# Altium PCB 10515.0501_主板(8拼版)_V1.0-20200907.PcbDoc (part 2 of 6)
Units mm, origin at the board's own origin, x right, y up, seen from the top; angles counter-clockwise.
Board outline 229.4 x 126.82 mm, 2 copper layers (Top Layer, Bottom Layer); 560 components, 0 nets, 2350 pads, 1248 vias.
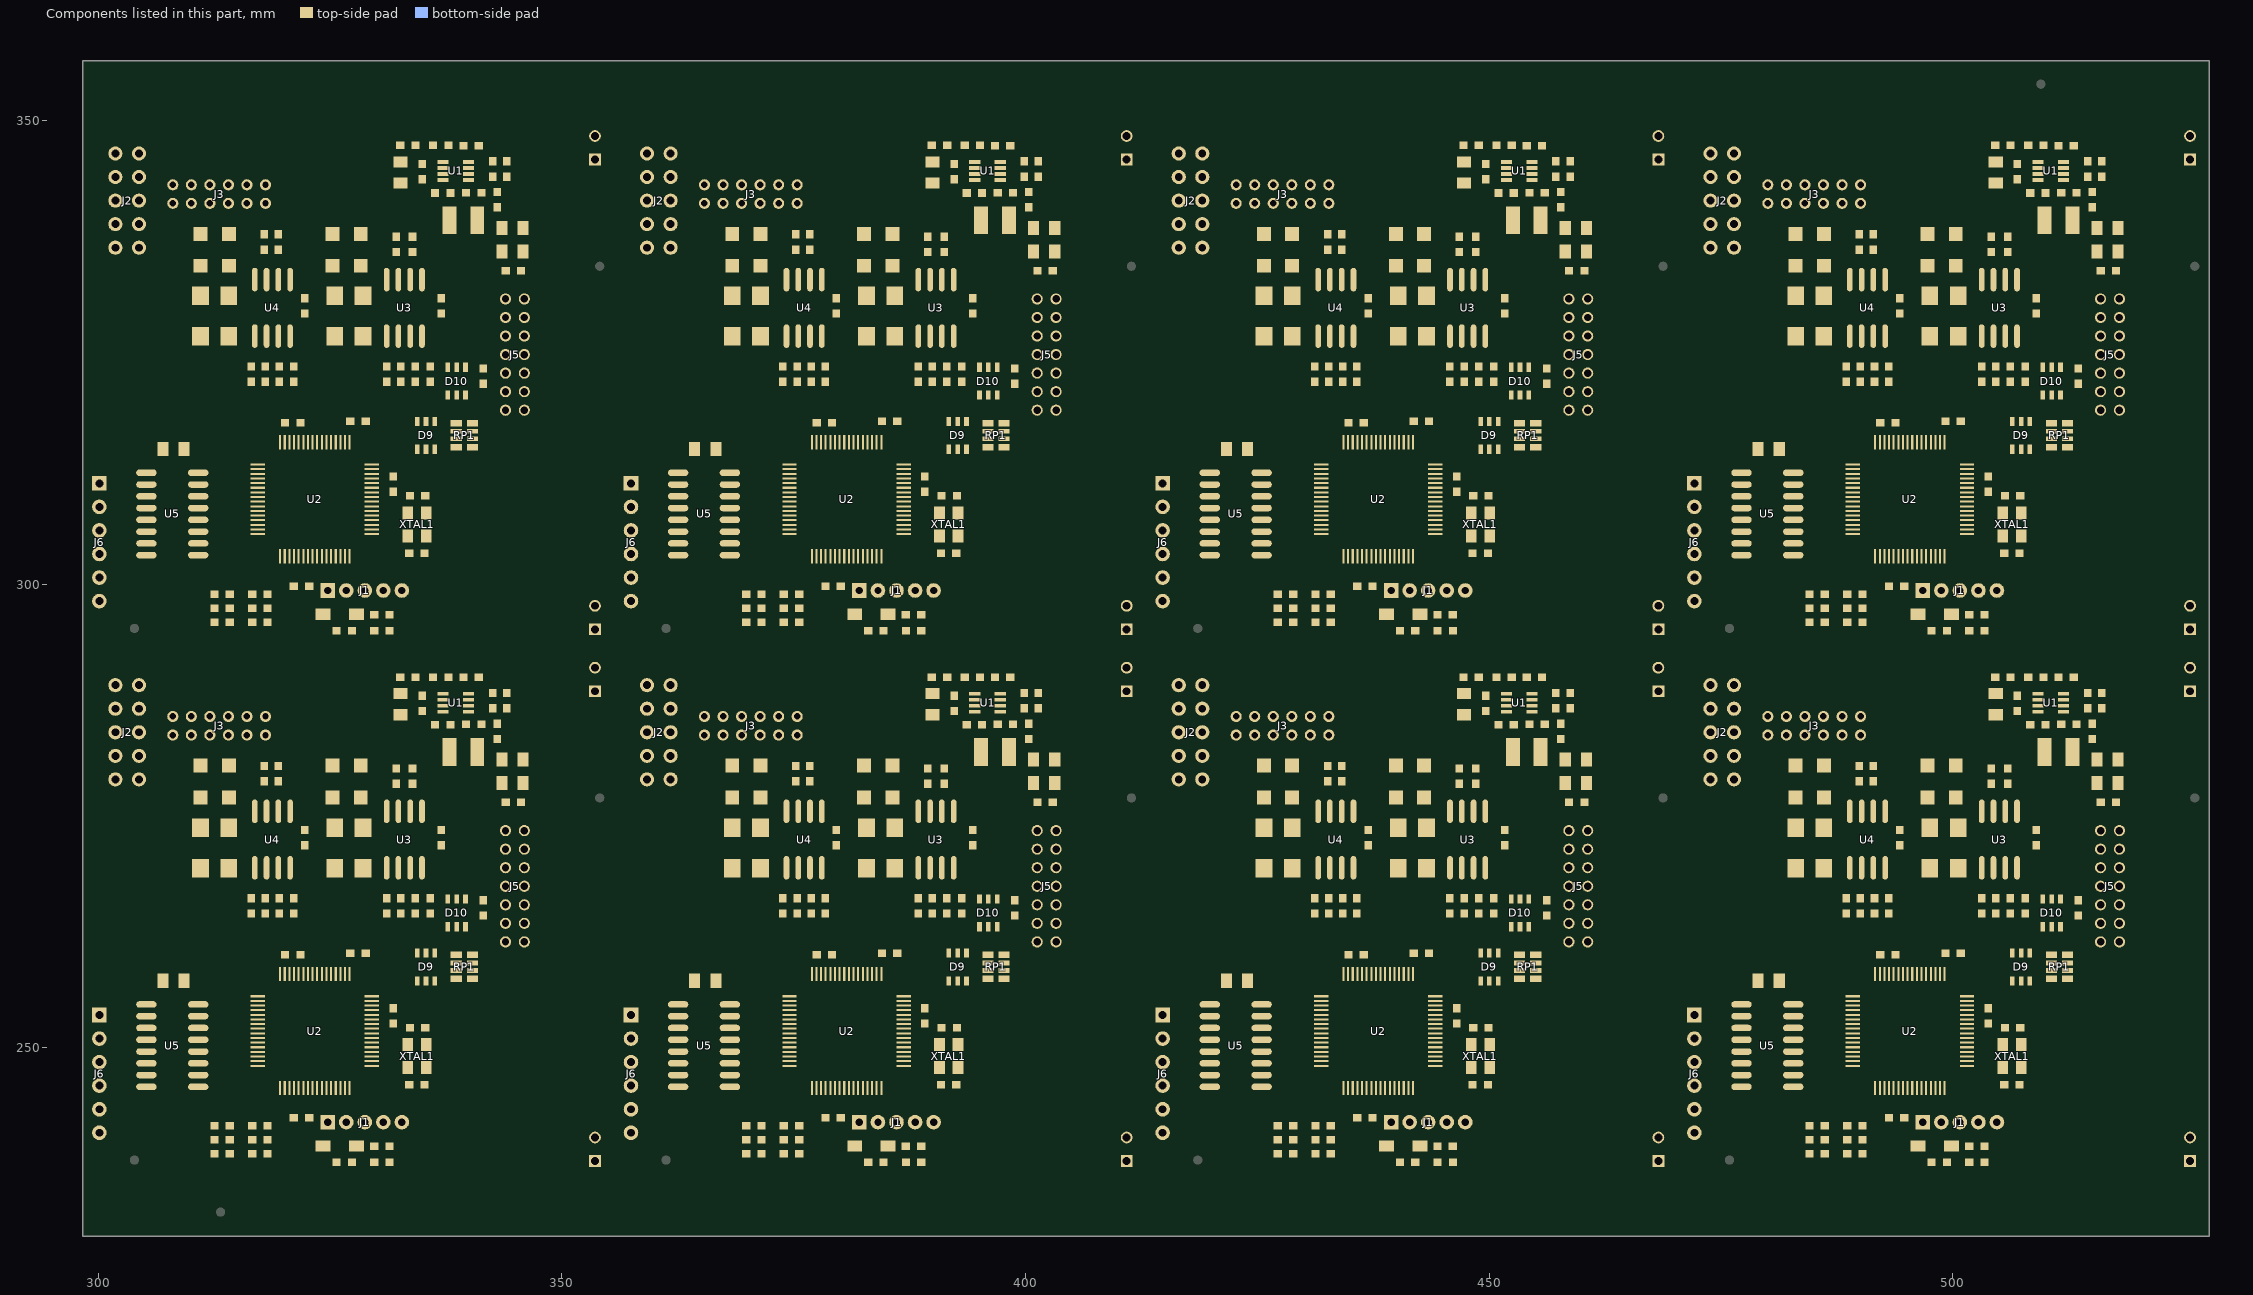
[diagram p2: the components of this part, seen from the top]

## Via types
v1: diameter 0.7, hole 0.4, Top Layer to Bottom Layer, tented both sides, 1248 vias

## Nets (pads, with @x,y where several pads share a name; then routed paths per layer and width w, separated by ;. In a path a pad name is that pad's centre, name@x,y a point inside that pad or via, vN(x,y) a via of type N, cw(c..) or ccw(c..) an arc to the next point about the centre after c; other vN are vias at no path point) (continued)
copper on no net: | length 12610.6
  Top Layer w0.2: 310.769,245.793 314.325,245.793 314.801,246.269 314.801,252.651 315.216,253.066 317.204,253.066 ; 310.769,247.063 313.817,247.063 314.401,247.647 314.401,253.159 314.808,253.566 317.204,253.566 ; 310.769,248.333 313.563,248.333 314.001,248.771 314.001,253.667 314.4,254.066 317.204,254.066 ; 310.769,249.603 313.055,249.603 313.601,250.149 313.601,254.175 313.992,254.566 317.204,254.566 ; 310.769,250.873 312.801,250.873 313.201,251.273 313.201,254.683 313.584,255.066 317.204,255.066 ; 310.769,252.143 312.547,252.143 312.801,252.397 312.801,255.191 313.176,255.566 317.204,255.566 ; 310.769,303.143 314.325,303.143 314.801,303.619 314.801,310.001 315.216,310.416 317.204,310.416 ; 310.769,304.413 313.817,304.413 314.401,304.997 314.401,310.509 314.808,310.916 317.204,310.916 ; 310.769,305.683 313.563,305.683 314.001,306.121 314.001,311.017 314.4,311.416 317.204,311.416 ; 310.769,306.953 313.055,306.953 313.601,307.499 313.601,311.525 313.992,311.916 317.204,311.916 ; 310.769,308.223 312.801,308.223 313.201,308.623 313.201,312.033 313.584,312.416 317.204,312.416 ; 310.769,309.493 312.547,309.493 312.801,309.747 312.801,312.541 313.176,312.916 317.204,312.916 ; 314.173,241.602 314.173,243.863 314.579,244.269 319.405,244.269 319.604,244.468 319.604,245.666 ; 314.173,298.952 314.173,301.213 314.579,301.619 319.405,301.619 319.604,301.818 319.604,303.016 ; v1@315.341,243.253 315.849,243.761 319.659,243.761 320.104,244.206 320.104,245.666 ; v1@315.341,300.603 315.849,301.111 319.659,301.111 320.104,301.556 320.104,303.016 ; v1(316.357,242.745) 316.865,243.253 319.913,243.253 320.604,243.944 320.604,245.666 ; v1(316.357,300.095) 316.865,300.603 319.913,300.603 320.604,301.294 320.604,303.016 ; 316.484,266.138 315.62,266.138 315.341,265.859 315.341,263.065 315.849,262.557 323.215,262.557 323.604,262.168 323.604,257.966 ; 316.484,323.488 315.62,323.488 315.341,323.209 315.341,320.415 315.849,319.907 323.215,319.907 323.604,319.518 323.604,315.316 ; 320.142,260.067 320.604,259.605 320.604,257.966 320.604,248.658 321.183,248.079 322.698,248.079 323.104,247.673 323.104,245.666 v1(323.104,243.904) 322.732,243.532 322.732,242.441 ; 320.142,317.417 320.604,316.955 320.604,315.316 320.604,306.008 321.183,305.429 322.698,305.429 323.104,305.023 323.104,303.016 v1(323.104,301.254) 322.732,300.882 322.732,299.791 ; 320.773,252.566 329.504,252.566 331.004,252.566 331.004,252.151 ; 320.773,309.916 329.504,309.916 331.004,309.916 331.004,309.501 ; 321.056,264.487 321.056,263.954 321.437,263.573 323.919,263.573 324.104,263.388 324.104,257.966 ; 321.056,321.837 321.056,321.304 321.437,320.923 323.919,320.923 324.104,320.738 324.104,315.316 ; 321.081,242.441 321.081,242.999 322.604,244.522 322.604,245.666 ; 321.081,299.791 321.081,300.349 322.604,301.872 322.604,303.016 ; 321.104,257.966 321.104,259.378 321.793,260.067 ; 321.104,315.316 321.104,316.728 321.793,317.417 ; v1(321.564,267.256) 321.945,266.875 321.945,264.335 322.199,264.081 323.977,264.081 324.604,263.454 324.604,257.966 ; v1(321.564,324.606) 321.945,324.225 321.945,321.685 322.199,321.431 323.977,321.431 324.604,320.804 324.604,315.316 ; 326.604,257.966 326.604,259.648 327.177,260.221 ; 326.604,315.316 326.604,316.998 327.177,317.571 ; 326.739,241.983 326.739,243.221 327.025,243.507 329.057,243.507 329.504,243.954 329.504,248.066 ; 326.739,299.333 326.739,300.571 327.025,300.857 329.057,300.857 329.504,301.304 329.504,305.416 ; 329.504,248.566 330.602,248.566 330.602,242.12 330.739,241.983 ; 329.504,249.066 334.174,249.066 335.375,247.865 ; 329.504,249.566 332.576,249.566 333.375,250.365 ; 329.504,252.066 331.241,252.066 331.801,252.626 ; 329.504,253.066 330.735,253.066 330.835,253.166 330.835,253.413 ; 329.504,253.566 330.682,253.566 330.835,253.413 ; 329.504,254.066 330.98,254.066 ; 329.504,254.566 330.522,254.566 331.147,255.191 335.915,255.191 336.291,255.567 336.291,257.223 ; 329.504,255.066 330.456,255.066 331.089,255.699 333.883,255.699 334.391,256.207 334.391,257.223 ; 329.504,305.916 330.602,305.916 330.602,299.47 330.739,299.333 ; 329.504,306.416 334.174,306.416 335.375,305.215 ; 329.504,306.916 332.576,306.916 333.375,307.715 ; 329.504,309.416 331.241,309.416 331.801,309.976 ; 329.504,310.416 330.735,310.416 330.835,310.516 330.835,310.763 ; 329.504,310.916 330.682,310.916 330.835,310.763 ; 329.504,311.416 330.98,311.416 ; 329.504,311.916 330.522,311.916 331.147,312.541 335.915,312.541 336.291,312.917 336.291,314.573 ; 329.504,312.416 330.456,312.416 331.089,313.049 333.883,313.049 334.391,313.557 334.391,314.573 ; 331.801,254.277 331.191,254.277 330.98,254.066 ; 331.801,311.627 331.191,311.627 330.98,311.416 ; 340.336,260.047 342.168,260.047 342.519,260.398 342.519,261.795 343.087,262.363 344.745,262.363 345.676,261.432 345.948,261.432 ; 340.336,317.397 342.168,317.397 342.519,317.748 342.519,319.145 343.087,319.713 344.745,319.713 345.676,318.782 345.948,318.782 ; 341.503,264.272 341.562,264.331 345.049,264.331 345.948,263.432 ; 341.503,321.622 341.562,321.681 345.049,321.681 345.948,320.782 ; 368.119,245.793 371.675,245.793 372.151,246.269 372.151,252.651 372.566,253.066 374.554,253.066 ; 368.119,247.063 371.167,247.063 371.751,247.647 371.751,253.159 372.158,253.566 374.554,253.566 ; 368.119,248.333 370.913,248.333 371.351,248.771 371.351,253.667 371.75,254.066 374.554,254.066 ; 368.119,249.603 370.405,249.603 370.951,250.149 370.951,254.175 371.342,254.566 374.554,254.566 ; 368.119,250.873 370.151,250.873 370.551,251.273 370.551,254.683 370.934,255.066 374.554,255.066 ; 368.119,252.143 369.897,252.143 370.151,252.397 370.151,255.191 370.526,255.566 374.554,255.566 ; 368.119,303.143 371.675,303.143 372.151,303.619 372.151,310.001 372.566,310.416 374.554,310.416 ; 368.119,304.413 371.167,304.413 371.751,304.997 371.751,310.509 372.158,310.916 374.554,310.916 ; 368.119,305.683 370.913,305.683 371.351,306.121 371.351,311.017 371.75,311.416 374.554,311.416 ; 368.119,306.953 370.405,306.953 370.951,307.499 370.951,311.525 371.342,311.916 374.554,311.916 ; 368.119,308.223 370.151,308.223 370.551,308.623 370.551,312.033 370.934,312.416 374.554,312.416 ; 368.119,309.493 369.897,309.493 370.151,309.747 370.151,312.541 370.526,312.916 374.554,312.916 ; 371.523,241.602 371.523,243.863 371.929,244.269 376.755,244.269 376.954,244.468 376.954,245.666 ; 371.523,298.952 371.523,301.213 371.929,301.619 376.755,301.619 376.954,301.818 376.954,303.016 ; v1@372.691,243.253 373.199,243.761 377.009,243.761 377.454,244.206 377.454,245.666 ; v1@372.691,300.603 373.199,301.111 377.009,301.111 377.454,301.556 377.454,303.016 ; v1(373.707,242.745) 374.215,243.253 377.263,243.253 377.954,243.944 377.954,245.666 ; v1(373.707,300.095) 374.215,300.603 377.263,300.603 377.954,301.294 377.954,303.016 ; 373.834,266.138 372.97,266.138 372.691,265.859 372.691,263.065 373.199,262.557 380.565,262.557 380.954,262.168 380.954,257.966 ; 373.834,323.488 372.97,323.488 372.691,323.209 372.691,320.415 373.199,319.907 380.565,319.907 380.954,319.518 380.954,315.316 ; 377.492,260.067 377.954,259.605 377.954,257.966 377.954,248.658 378.533,248.079 380.048,248.079 380.454,247.673 380.454,245.666 v1(380.454,243.904) 380.082,243.532 380.082,242.441 ; 377.492,317.417 377.954,316.955 377.954,315.316 377.954,306.008 378.533,305.429 380.048,305.429 380.454,305.023 380.454,303.016 v1(380.454,301.254) 380.082,300.882 380.082,299.791 ; 378.123,252.566 386.854,252.566 388.354,252.566 388.354,252.151 ; 378.123,309.916 386.854,309.916 388.354,309.916 388.354,309.501 ; 378.406,264.487 378.406,263.954 378.787,263.573 381.269,263.573 381.454,263.388 381.454,257.966 ; 378.406,321.837 378.406,321.304 378.787,320.923 381.269,320.923 381.454,320.738 381.454,315.316 ; 378.431,242.441 378.431,242.999 379.954,244.522 379.954,245.666 ; 378.431,299.791 378.431,300.349 379.954,301.872 379.954,303.016 ; 378.454,257.966 378.454,259.378 379.143,260.067 ; 378.454,315.316 378.454,316.728 379.143,317.417 ; v1(378.914,267.256) 379.295,266.875 379.295,264.335 379.549,264.081 381.327,264.081 381.954,263.454 381.954,257.966 ; v1(378.914,324.606) 379.295,324.225 379.295,321.685 379.549,321.431 381.327,321.431 381.954,320.804 381.954,315.316 ; 383.954,257.966 383.954,259.648 384.527,260.221 ; 383.954,315.316 383.954,316.998 384.527,317.571 ; 384.089,241.983 384.089,243.221 384.375,243.507 386.407,243.507 386.854,243.954 386.854,248.066 ; 384.089,299.333 384.089,300.571 384.375,300.857 386.407,300.857 386.854,301.304 386.854,305.416 ; 386.854,248.566 387.952,248.566 387.952,242.12 388.089,241.983 ; 386.854,249.066 391.524,249.066 392.725,247.865 ; 386.854,249.566 389.926,249.566 390.725,250.365 ; 386.854,252.066 388.591,252.066 389.151,252.626 ; 386.854,253.066 388.085,253.066 388.185,253.166 388.185,253.413 ; 386.854,253.566 388.032,253.566 388.185,253.413 ; 386.854,254.066 388.33,254.066 ; 386.854,254.566 387.872,254.566 388.497,255.191 393.265,255.191 393.641,255.567 393.641,257.223 ; 386.854,255.066 387.806,255.066 388.439,255.699 391.233,255.699 391.741,256.207 391.741,257.223 ; 386.854,305.916 387.952,305.916 387.952,299.47 388.089,299.333 ; 386.854,306.416 391.524,306.416 392.725,305.215 ; 386.854,306.916 389.926,306.916 390.725,307.715 ; 386.854,309.416 388.591,309.416 389.151,309.976 ; 386.854,310.416 388.085,310.416 388.185,310.516 388.185,310.763 ; 386.854,310.916 388.032,310.916 388.185,310.763 ; 386.854,311.416 388.33,311.416 ; 386.854,311.916 387.872,311.916 388.497,312.541 393.265,312.541 393.641,312.917 393.641,314.573 ; 386.854,312.416 387.806,312.416 388.439,313.049 391.233,313.049 391.741,313.557 391.741,314.573 ; 389.151,254.277 388.541,254.277 388.33,254.066 ; 389.151,311.627 388.541,311.627 388.33,311.416 ; 397.686,260.047 399.518,260.047 399.869,260.398 399.869,261.795 400.437,262.363 402.095,262.363 403.026,261.432 403.298,261.432 ; 397.686,317.397 399.518,317.397 399.869,317.748 399.869,319.145 400.437,319.713 402.095,319.713 403.026,318.782 403.298,318.782 ; 398.853,264.272 398.912,264.331 402.399,264.331 403.298,263.432 ; 398.853,321.622 398.912,321.681 402.399,321.681 403.298,320.782 ; 425.469,245.793 429.025,245.793 429.501,246.269 429.501,252.651 429.916,253.066 431.904,253.066 ; 425.469,247.063 428.517,247.063 429.101,247.647 429.101,253.159 429.508,253.566 431.904,253.566 ; 425.469,248.333 428.263,248.333 428.701,248.771 428.701,253.667 429.1,254.066 431.904,254.066 ; 425.469,249.603 427.755,249.603 428.301,250.149 428.301,254.175 428.692,254.566 431.904,254.566 ; 425.469,250.873 427.501,250.873 427.901,251.273 427.901,254.683 428.284,255.066 431.904,255.066 ; 425.469,252.143 427.247,252.143 427.501,252.397 427.501,255.191 427.876,255.566 431.904,255.566 ; 425.469,303.143 429.025,303.143 429.501,303.619 429.501,310.001 429.916,310.416 431.904,310.416 ; 425.469,304.413 428.517,304.413 429.101,304.997 429.101,310.509 429.508,310.916 431.904,310.916 ; 425.469,305.683 428.263,305.683 428.701,306.121 428.701,311.017 429.1,311.416 431.904,311.416 ; 425.469,306.953 427.755,306.953 428.301,307.499 428.301,311.525 428.692,311.916 431.904,311.916 ; 425.469,308.223 427.501,308.223 427.901,308.623 427.901,312.033 428.284,312.416 431.904,312.416 ; 425.469,309.493 427.247,309.493 427.501,309.747 427.501,312.541 427.876,312.916 431.904,312.916 ; 428.873,241.602 428.873,243.863 429.279,244.269 434.105,244.269 434.304,244.468 434.304,245.666 ; 428.873,298.952 428.873,301.213 429.279,301.619 434.105,301.619 434.304,301.818 434.304,303.016 ; v1@430.041,243.253 430.549,243.761 434.359,243.761 434.804,244.206 434.804,245.666 ; v1@430.041,300.603 430.549,301.111 434.359,301.111 434.804,301.556 434.804,303.016 ; v1(431.057,242.745) 431.565,243.253 434.613,243.253 435.304,243.944 435.304,245.666 ; v1(431.057,300.095) 431.565,300.603 434.613,300.603 435.304,301.294 435.304,303.016 ; 431.184,266.138 430.32,266.138 430.041,265.859 430.041,263.065 430.549,262.557 437.915,262.557 438.304,262.168 438.304,257.966 ; 431.184,323.488 430.32,323.488 430.041,323.209 430.041,320.415 430.549,319.907 437.915,319.907 438.304,319.518 438.304,315.316 ; 434.842,260.067 435.304,259.605 435.304,257.966 435.304,248.658 435.883,248.079 437.398,248.079 437.804,247.673 437.804,245.666 v1(437.804,243.904) 437.432,243.532 437.432,242.441 ; 434.842,317.417 435.304,316.955 435.304,315.316 435.304,306.008 435.883,305.429 437.398,305.429 437.804,305.023 437.804,303.016 v1(437.804,301.254) 437.432,300.882 437.432,299.791 ; 435.473,252.566 444.204,252.566 445.704,252.566 445.704,252.151 ; 435.473,309.916 444.204,309.916 445.704,309.916 445.704,309.501 ; 435.756,264.487 435.756,263.954 436.137,263.573 438.619,263.573 438.804,263.388 438.804,257.966 ; 435.756,321.837 435.756,321.304 436.137,320.923 438.619,320.923 438.804,320.738 438.804,315.316 ; 435.781,242.441 435.781,242.999 437.304,244.522 437.304,245.666 ; 435.781,299.791 435.781,300.349 437.304,301.872 437.304,303.016 ; 435.804,257.966 435.804,259.378 436.493,260.067 ; 435.804,315.316 435.804,316.728 436.493,317.417 ; v1(436.264,267.256) 436.645,266.875 436.645,264.335 436.899,264.081 438.677,264.081 439.304,263.454 439.304,257.966 ; v1(436.264,324.606) 436.645,324.225 436.645,321.685 436.899,321.431 438.677,321.431 439.304,320.804 439.304,315.316 ; 441.304,257.966 441.304,259.648 441.877,260.221 ; 441.304,315.316 441.304,316.998 441.877,317.571 ; 441.439,241.983 441.439,243.221 441.725,243.507 443.757,243.507 444.204,243.954 444.204,248.066 ; 441.439,299.333 441.439,300.571 441.725,300.857 443.757,300.857 444.204,301.304 444.204,305.416 ; 444.204,248.566 445.302,248.566 445.302,242.12 445.439,241.983 ; 444.204,249.066 448.874,249.066 450.075,247.865 ; 444.204,249.566 447.276,249.566 448.075,250.365 ; 444.204,252.066 445.941,252.066 446.501,252.626 ; 444.204,253.066 445.435,253.066 445.535,253.166 445.535,253.413 ; 444.204,253.566 445.382,253.566 445.535,253.413 ; 444.204,254.066 445.68,254.066 ; 444.204,254.566 445.222,254.566 445.847,255.191 450.615,255.191 450.991,255.567 450.991,257.223 ; 444.204,255.066 445.156,255.066 445.789,255.699 448.583,255.699 449.091,256.207 449.091,257.223 ; 444.204,305.916 445.302,305.916 445.302,299.47 445.439,299.333 ; 444.204,306.416 448.874,306.416 450.075,305.215 ; 444.204,306.916 447.276,306.916 448.075,307.715 ; 444.204,309.416 445.941,309.416 446.501,309.976 ; 444.204,310.416 445.435,310.416 445.535,310.516 445.535,310.763 ; 444.204,310.916 445.382,310.916 445.535,310.763 ; 444.204,311.416 445.68,311.416 ; 444.204,311.916 445.222,311.916 445.847,312.541 450.615,312.541 450.991,312.917 450.991,314.573 ; 444.204,312.416 445.156,312.416 445.789,313.049 448.583,313.049 449.091,313.557 449.091,314.573 ; 446.501,254.277 445.891,254.277 445.68,254.066 ; 446.501,311.627 445.891,311.627 445.68,311.416 ; 455.036,260.047 456.868,260.047 457.219,260.398 457.219,261.795 457.787,262.363 459.445,262.363 460.376,261.432 460.648,261.432 ; 455.036,317.397 456.868,317.397 457.219,317.748 457.219,319.145 457.787,319.713 459.445,319.713 460.376,318.782 460.648,318.782 ; 456.203,264.272 456.262,264.331 459.749,264.331 460.648,263.432 ; 456.203,321.622 456.262,321.681 459.749,321.681 460.648,320.782 ; 482.819,245.793 486.375,245.793 486.851,246.269 486.851,252.651 487.266,253.066 489.254,253.066 ; 482.819,247.063 485.867,247.063 486.451,247.647 486.451,253.159 486.858,253.566 489.254,253.566 ; 482.819,248.333 485.613,248.333 486.051,248.771 486.051,253.667 486.45,254.066 489.254,254.066 ; 482.819,249.603 485.105,249.603 485.651,250.149 485.651,254.175 486.042,254.566 489.254,254.566 ; 482.819,250.873 484.851,250.873 485.251,251.273 485.251,254.683 485.634,255.066 489.254,255.066 ; 482.819,252.143 484.597,252.143 484.851,252.397 484.851,255.191 485.226,255.566 489.254,255.566 ; 482.819,303.143 486.375,303.143 486.851,303.619 486.851,310.001 487.266,310.416 489.254,310.416 ; 482.819,304.413 485.867,304.413 486.451,304.997 486.451,310.509 486.858,310.916 489.254,310.916 ; 482.819,305.683 485.613,305.683 486.051,306.121 486.051,311.017 486.45,311.416 489.254,311.416 ; 482.819,306.953 485.105,306.953 485.651,307.499 485.651,311.525 486.042,311.916 489.254,311.916 ; 482.819,308.223 484.851,308.223 485.251,308.623 485.251,312.033 485.634,312.416 489.254,312.416 ; 482.819,309.493 484.597,309.493 484.851,309.747 484.851,312.541 485.226,312.916 489.254,312.916 ; 486.223,241.602 486.223,243.863 486.629,244.269 491.455,244.269 491.654,244.468 491.654,245.666 ; 486.223,298.952 486.223,301.213 486.629,301.619 491.455,301.619 491.654,301.818 491.654,303.016 ; v1@487.391,243.253 487.899,243.761 491.709,243.761 492.154,244.206 492.154,245.666 ; v1@487.391,300.603 487.899,301.111 491.709,301.111 492.154,301.556 492.154,303.016 ; v1(488.407,242.745) 488.915,243.253 491.963,243.253 492.654,243.944 492.654,245.666 ; v1(488.407,300.095) 488.915,300.603 491.963,300.603 492.654,301.294 492.654,303.016 ; 488.534,266.138 487.671,266.138 487.391,265.859 487.391,263.065 487.899,262.557 495.265,262.557 495.654,262.168 495.654,257.966 ; 488.534,323.488 487.671,323.488 487.391,323.209 487.391,320.415 487.899,319.907 495.265,319.907 495.654,319.518 495.654,315.316 ; 492.192,260.067 492.654,259.605 492.654,257.966 492.654,248.658 493.233,248.079 494.748,248.079 495.154,247.673 495.154,245.666 v1(495.154,243.904) 494.782,243.532 494.782,242.441 ; 492.192,317.417 492.654,316.955 492.654,315.316 492.654,306.008 493.233,305.429 494.748,305.429 495.154,305.023 495.154,303.016 v1(495.154,301.254) 494.782,300.882 494.782,299.791 ; 492.823,252.566 501.554,252.566 503.054,252.566 503.054,252.151 ; 492.823,309.916 501.554,309.916 503.054,309.916 503.054,309.501 ; 493.106,264.487 493.106,263.954 493.487,263.573 495.969,263.573 496.154,263.388 496.154,257.966 ; 493.106,321.837 493.106,321.304 493.487,320.923 495.969,320.923 496.154,320.738 496.154,315.316 ; 493.131,242.441 493.131,242.999 494.654,244.522 494.654,245.666 ; 493.131,299.791 493.131,300.349 494.654,301.872 494.654,303.016 ; 493.154,257.966 493.154,259.378 493.843,260.067 ; 493.154,315.316 493.154,316.728 493.843,317.417 ; v1(493.614,267.256) 493.995,266.875 493.995,264.335 494.249,264.081 496.027,264.081 496.654,263.454 496.654,257.966 ; v1(493.614,324.606) 493.995,324.225 493.995,321.685 494.249,321.431 496.027,321.431 496.654,320.804 496.654,315.316 ; 498.654,257.966 498.654,259.648 499.227,260.221 ; 498.654,315.316 498.654,316.998 499.227,317.571 ; 498.789,241.983 498.789,243.221 499.075,243.507 501.107,243.507 501.554,243.954 501.554,248.066 ; 498.789,299.333 498.789,300.571 499.075,300.857 501.107,300.857 501.554,301.304 501.554,305.416 ; 501.554,248.566 502.652,248.566 502.652,242.12 502.789,241.983 ; 501.554,249.066 506.224,249.066 507.425,247.865 ; 501.554,249.566 504.626,249.566 505.425,250.365 ; 501.554,252.066 503.291,252.066 503.851,252.626 ; 501.554,253.066 502.785,253.066 502.885,253.166 502.885,253.413 ; 501.554,253.566 502.732,253.566 502.885,253.413 ; 501.554,254.066 503.03,254.066 ; 501.554,254.566 502.572,254.566 503.197,255.191 507.965,255.191 508.341,255.567 508.341,257.223 ; 501.554,255.066 502.506,255.066 503.139,255.699 505.933,255.699 506.441,256.207 506.441,257.223 ; 501.554,305.916 502.652,305.916 502.652,299.47 502.789,299.333 ; 501.554,306.416 506.224,306.416 507.425,305.215 ; 501.554,306.916 504.626,306.916 505.425,307.715 ; 501.554,309.416 503.291,309.416 503.851,309.976 ; 501.554,310.416 502.785,310.416 502.885,310.516 502.885,310.763 ; 501.554,310.916 502.732,310.916 502.885,310.763 ; 501.554,311.416 503.03,311.416 ; 501.554,311.916 502.572,311.916 503.197,312.541 507.965,312.541 508.341,312.917 508.341,314.573 ; 501.554,312.416 502.506,312.416 503.139,313.049 505.933,313.049 506.441,313.557 506.441,314.573 ; 503.851,254.277 503.241,254.277 503.03,254.066 ; 503.851,311.627 503.241,311.627 503.03,311.416 ; 512.386,260.047 514.218,260.047 514.569,260.398 514.569,261.795 515.137,262.363 516.795,262.363 517.726,261.432 517.998,261.432 ; 512.386,317.397 514.218,317.397 514.569,317.748 514.569,319.145 515.137,319.713 516.795,319.713 517.726,318.782 517.998,318.782 ; 513.553,264.272 513.612,264.331 517.099,264.331 517.998,263.432 ; 513.553,321.622 513.612,321.681 517.099,321.681 517.998,320.782 ; 330.835,253.413 330.835,253.921 330.98,254.066 ; 330.835,310.763 330.835,311.271 330.98,311.416 ; 388.185,253.413 388.185,253.921 388.33,254.066 ; 388.185,310.763 388.185,311.271 388.33,311.416 ; 445.535,253.413 445.535,253.921 445.68,254.066 ; 445.535,310.763 445.535,311.271 445.68,311.416 ; 502.885,253.413 502.885,253.921 503.03,254.066 ; 502.885,310.763 502.885,311.271 503.03,311.416
  Top Layer w0.254: 340.336,257.447 346.753,257.447 348.18,258.874 348.161,258.893 348.161,264.205 347.561,264.805 344.543,264.805 343.916,265.432 ; 340.336,258.347 346.691,258.347 347.707,259.363 347.707,262.195 347.345,262.557 345.313,262.557 344.438,263.432 343.916,263.432 ; 340.336,314.797 346.753,314.797 348.18,316.224 348.161,316.243 348.161,321.555 347.561,322.155 344.543,322.155 343.916,322.782 ; 340.336,315.697 346.691,315.697 347.707,316.713 347.707,319.545 347.345,319.907 345.313,319.907 344.438,320.782 343.916,320.782 ; 397.686,257.447 404.103,257.447 405.53,258.874 405.511,258.893 405.511,264.205 404.911,264.805 401.893,264.805 401.266,265.432 ; 397.686,258.347 404.041,258.347 405.057,259.363 405.057,262.195 404.695,262.557 402.663,262.557 401.788,263.432 401.266,263.432 ; 397.686,314.797 404.103,314.797 405.53,316.224 405.511,316.243 405.511,321.555 404.911,322.155 401.893,322.155 401.266,322.782 ; 397.686,315.697 404.041,315.697 405.057,316.713 405.057,319.545 404.695,319.907 402.663,319.907 401.788,320.782 401.266,320.782 ; 455.036,257.447 461.453,257.447 462.88,258.874 462.861,258.893 462.861,264.205 462.261,264.805 459.243,264.805 458.616,265.432 ; 455.036,258.347 461.391,258.347 462.407,259.363 462.407,262.195 462.045,262.557 460.013,262.557 459.138,263.432 458.616,263.432 ; 455.036,314.797 461.453,314.797 462.88,316.224 462.861,316.243 462.861,321.555 462.261,322.155 459.243,322.155 458.616,322.782 ; 455.036,315.697 461.391,315.697 462.407,316.713 462.407,319.545 462.045,319.907 460.013,319.907 459.138,320.782 458.616,320.782 ; 512.386,257.447 518.803,257.447 520.23,258.874 520.211,258.893 520.211,264.205 519.611,264.805 516.593,264.805 515.966,265.432 ; 512.386,258.347 518.741,258.347 519.757,259.363 519.757,262.195 519.395,262.557 517.363,262.557 516.488,263.432 515.966,263.432 ; 512.386,314.797 518.803,314.797 520.23,316.224 520.211,316.243 520.211,321.555 519.611,322.155 516.593,322.155 515.966,322.782 ; 512.386,315.697 518.741,315.697 519.757,316.713 519.757,319.545 519.395,319.907 517.363,319.907 516.488,320.782 515.966,320.782